# Altium PCB PCB1_wGraphics.PcbDoc (part 1 of 2)
Units mil, origin at the board's own origin, x right, y up, seen from the top; angles counter-clockwise.
Board outline 5095 x 2755 mil, 4 copper layers (Top Layer, Power3V3, GroundGND, Bottom Layer), stack 23.756 mil thick; 96 components, 127 nets, 451 pads, 232 vias.
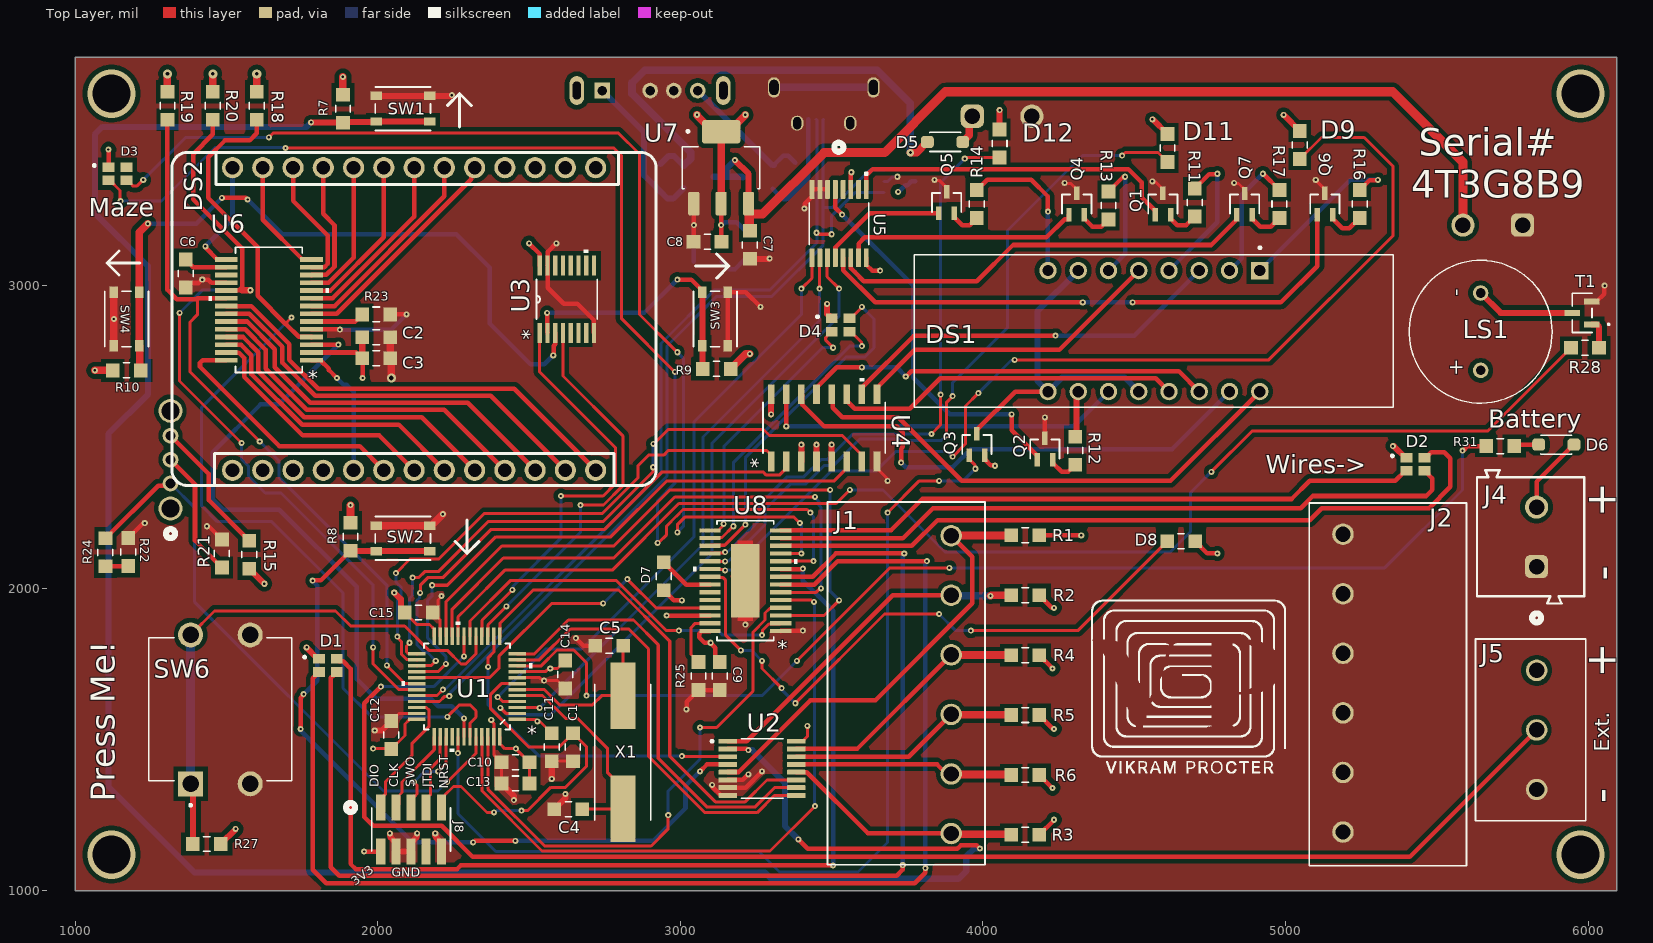
[diagram p0: Top Layer view]
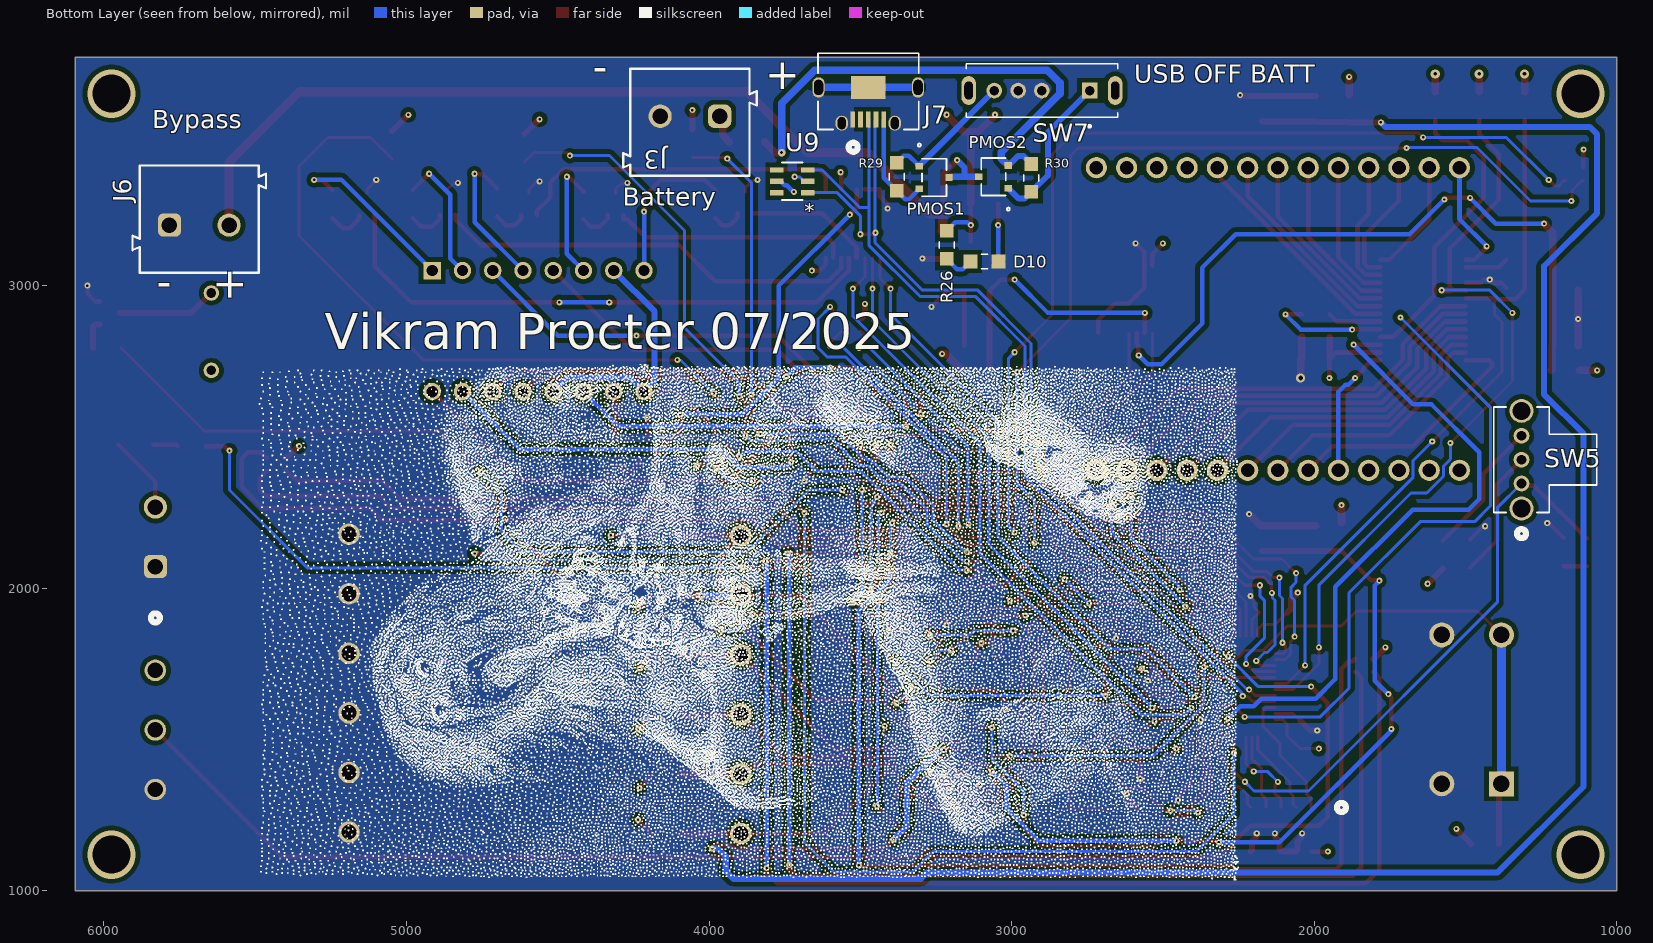
[diagram p1: Bottom Layer view, seen from below]
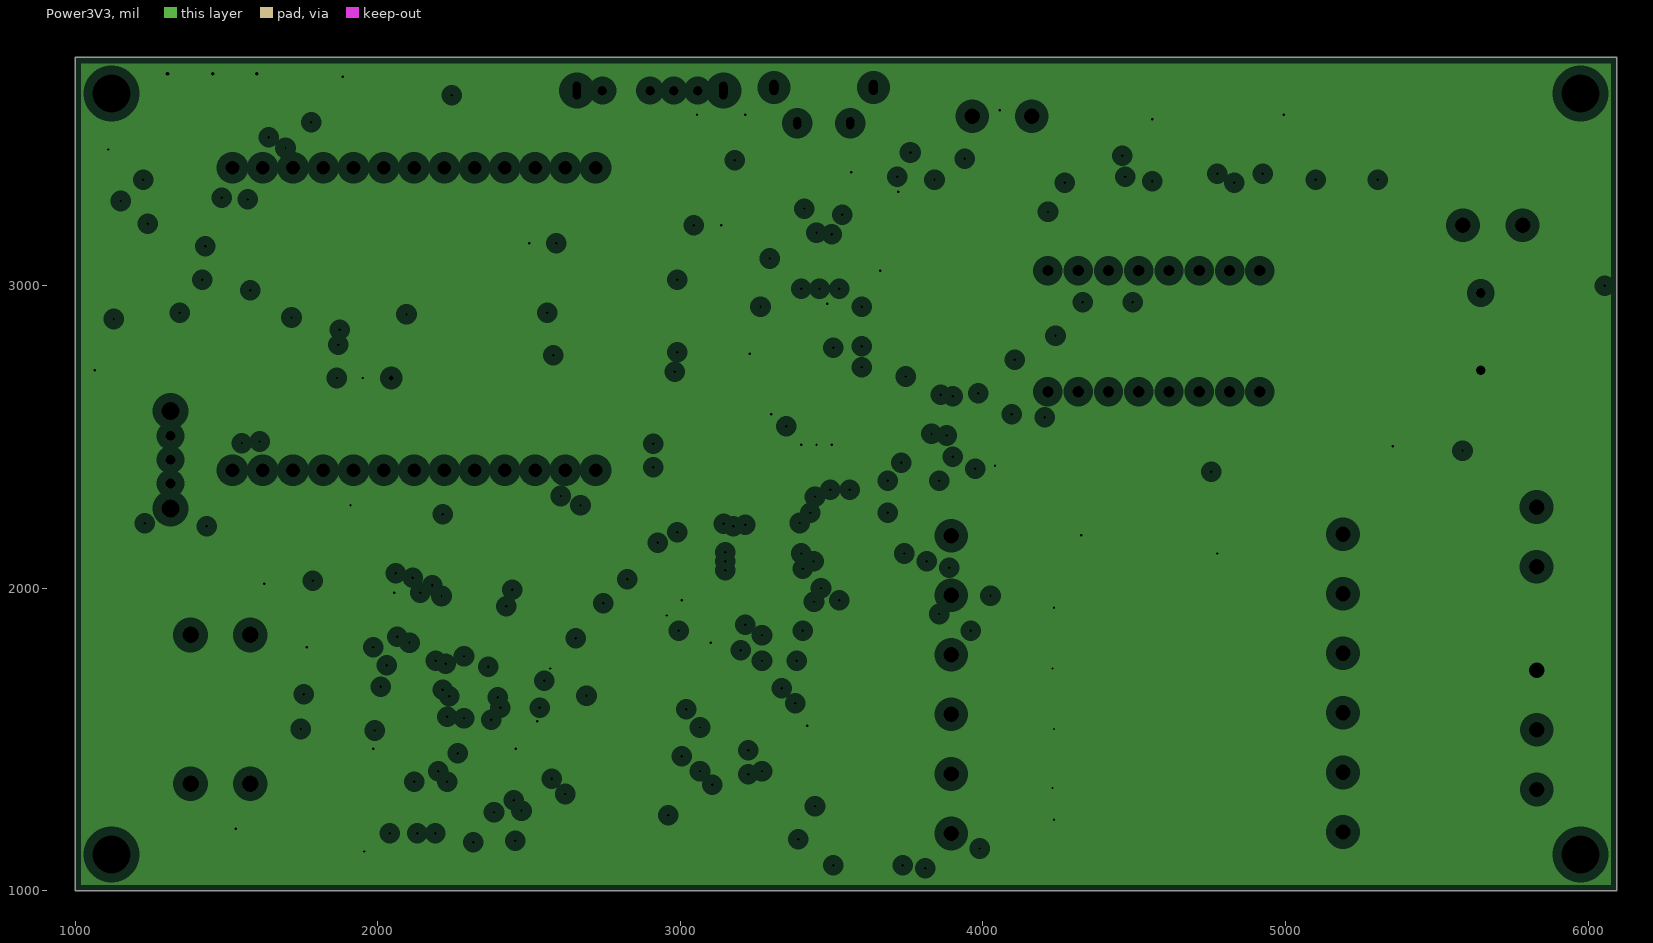
[diagram p2: Power3V3, clearances drawn from the general rule]
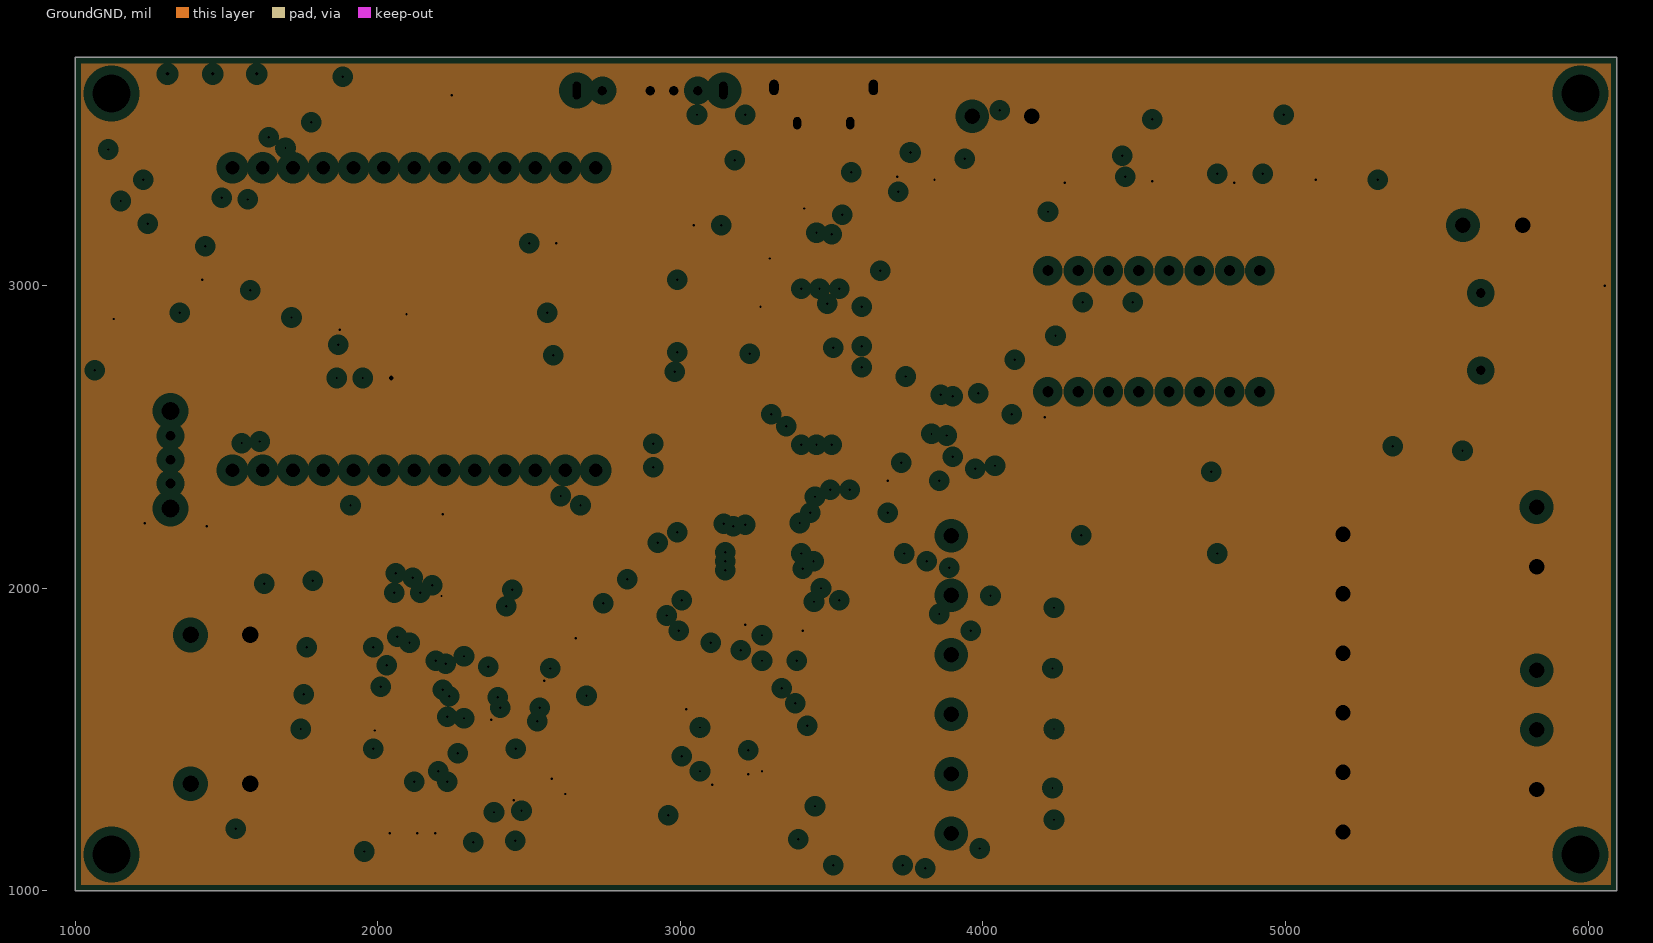
[diagram p3: GroundGND, clearances drawn from the general rule]

## Layer stack, top to bottom
Top Solder: solder mask 0.4, Solder Resist, Dk 3.5
Top Layer: signal copper 1.4
Dielectric 2: prepreg 2.8, PP-006, Dk 4.1
Power3V3: plane copper 1.378, net +3V3
Dielectric 1: dielectric 12.6, FR-4, Dk 4.8
GroundGND: plane copper 1.378, net GND
Dielectric 5: prepreg 2.8, PP-006, Dk 4.1
Bottom Layer: signal copper 1.4
Bottom Solder: solder mask 0.4, Solder Resist, Dk 3.5

## Board outline
1000,1000 6095,1000 6095,3755 1000,3755

## Design rules (kind name [scope] priority, off if disabled: settings)
Clearance [All] p1: gap=15 ignorepadtopadclearanceinfootprint=TRUE except(7: Arc-Arc Arc-Track Arc-SMDPad Arc-THPad Arc-Via Track-Track Track-SMDPad Track-THPad Track-Via SMDPad-THPad; 10: Arc-Text Arc-Hole Track-Text Track-Hole SMDPad-SMDPad SMDPad-Via SMDPad-Text SMDPad-Hole THPad-THPad THPad-Via THPad-Text THPad-Hole Via-Via Via-Text Via-Hole Fill-Text Fill-Hole Poly-Text Poly-Hole Region-Text Region-Hole Text-Text Text-Hole)
ComponentClearance "LED Matrix" [InComponent('DS2') vs InComponent('U6')] p1: gap=0 collisioncheckmode=3 verticalgap=0 showdistances=FALSE donotcheckwithout3dbody=TRUE // Allows for stuff to be placed under the LED Matrix
ComponentClearance [All] p2: gap=10 collisioncheckmode=3 verticalgap=10 showdistances=FALSE
DiffPairsRouting [All] p1: maxlimit=10 minlimit=5 mostfreqgap=10 toplayer_minwidth=10 toplayer_maxwidth=15 toplayer_prefwidth=15 bottomlayer_minwidth=10 bottomlayer_maxwidth=15 bottomlayer_prefwidth=15 maxuncoupledlength=500
MinimumSolderMaskSliver MinimumSolderMaskSliver_MCU [InComponent('U1') vs InComponent('U1')] p1: minsoldermaskwidth=0
MinimumSolderMaskSliver MinimumSolderMaskSliver_USB [HasFootprint('USB MICRO AB 0475900001') vs HasFootprint('USB MICRO AB 0475900001')] p2: minsoldermaskwidth=0
MinimumSolderMaskSliver [All] p3: minsoldermaskwidth=10
PlaneClearance [All] p1: clearance=30
PlaneConnect [All] p1: planeconnectstyle=Direct reliefexpansion=20 reliefentries=4 reliefconductorwidth=10 reliefairgap=10
PolygonConnect [All] p1: connectstyle=Direct reliefconductorwidth=10 reliefentries=4 polygonreliefangle="90 Angle" airgapwidth=10
RoutingVias [All] p1: holewidth=8 width=20 viastyle="Through Hole" minholewidth=8 minwidth=20 maxholewidth=28 maxwidth=50
SilkToSilkClearance [All] p1: silktosilkclearance=0
SilkToSolderMaskClearance [IsPad] p1: minsilkscreentomaskgap=0 clearancetoexposedcopper=TRUE
SolderMaskExpansion [All] p1: expansion=4 istentingtop=FALSE
SupplyNets "Schematic Supply Nets_4" [InNet('+3V3')] p1: voltage=0.000
SupplyNets "Schematic Supply Nets_3" [InNet('GND')] p2: voltage=0.000
SupplyNets "Schematic Supply Nets_2" [InNet('VBatt')] p3: voltage=0.000
SupplyNets "Schematic Supply Nets_1" [InNet('Vusb')] p4: voltage=0.000
SupplyNets "Schematic Supply Nets" [InNet('Vin')] p5: voltage=0.000
Width [All] p1: maxlimit=50 minlimit=10 preferedwidth=10
23 further rules are at their usual default settings.

## Classes and differential pairs
differential pair USB: +MCU_USB_D+ -MCU_USB_D-

## Components (designator, comment, footprint, x,y, rotation, side; value= is the part's Value field where it differs from the comment)
C1 "0.1uF" 0805 2645,1475 r90 top value=100nF
C2 "1uF" 0805 1995,2830 r180 top
C3 "0.1uF" 0805 1995,2760 r180 top value=100nF
C4 "24pF" 0805 2630,1270 r0 top
C5 "24pF" 0805 2765,1810 r180 top
C6 "0.1uF" 0805 1365,3040 r270 top value=100nF
C7 "1uF" 0805 3230,3135 r90 top
C8 "4.7uF" 0805 3090,3145 r0 top
C9 "0.1uF" 0805 3130,1710 r90 top value=100nF
C10 "0.1uF" 0805 2455,1425 r0 top value=100nF
C11 "0.1uF" 0805 2575,1475 r90 top value=100nF
C12 "0.1uF" 0805 2045,1515 r270 top value=100nF
C13 "4.7uF" 0805 2455,1355 r0 top
C14 "1uF" 0805 2620,1715 r270 top
C15 "0.1uF" 0805 2135,1920 r180 top value=100nF
D1 "RGB LED" "RBG LED 4-SMD" 1835,1745 r0 top
D2 "RGB LED" "RBG LED 4-SMD" 5430,2410 r0 top
D3 "RGB LED" "RBG LED 4-SMD" 1140,3370 r0 top
D4 "RGB LED" "RBG LED 4-SMD" 3530,2870 r0 top
D5 "1A" "SOD-123F DIODE SCHOTTKY" 3875,3475 r0 top
D6 "1A" "SOD-123F DIODE SCHOTTKY" 5895,2475 r180 top
D7 "Red 2V" 0805 2945,2040 r90 top
D8 "Red 2V" 0805 4655,2155 r180 top
D9 "Red 2V" 0805 5047.5,3465 r270 top
D10 "Red 2V" 0805 3090,3080 r180 bottom
D11 "Red 2V" 0805 4610,3455 r270 top
D12 "Red 2V" 0805 4055,3470 r270 top
DS1 "TDCR1060M" "16-DIP 4CHAR-7SEG" 4565,2850 r180 top
DS2 "LED Matrix" "LED MATRIX 9X16 CHARLIE" 2720,3390 r180 top locked
J1 "5mm" "CON 6POS SCREW 5.00MM" 3895,2173.7 r90 top
J2 "5mm" "CON 6POS SCREW 5.00MM" 5190,1194.45 r270 top
J3 "5mm" "CON 2POS SCREW 5.00MM" 4063.43,3540.31 r0 bottom
J4 "5mm" "CON 2POS SCREW 5.00MM" 5810,2170 r90 top
J5 "5mm" "CONN 3POS 5.00MM" 5830,1728.7 r270 top
J6 "5mm" "CON 2POS SCREW 5.00MM" 5685,3220 r180 bottom
J7 "micro ab" "USB MICRO AB 0475900001" 3473.82,3457.54 r0 bottom
J8 "1.27mm" "CON 10PIN 2ROW 1.27MM" 2010,1275.67 r0 top
LS1 "CEM-1203(42)" "BUZZER CEM-1203(42)" 5645,2847.95 r90 top
PMOS1 "6A" "SOT-23F MOS PMOS 30V 6A" 3256,3357.6 r270 bottom
PMOS2 "6A" "SOT-23F MOS PMOS 30V 6A" 3060,3360 r90 bottom
Q1 "NMOS" "SOT-323 MOS" 4595,3270 r0 top
Q2 "NMOS" "SOT-323 MOS" 4205,2460 r0 top
Q3 "NMOS" "SOT-323 MOS" 3980,2475 r0 top
Q4 "NMOS" "SOT-323 MOS" 4310,3270 r0 top
Q5 "NMOS" "SOT-323 MOS" 3880,3275 r0 top
Q6 "NMOS" "SOT-323 MOS" 5130,3270 r0 top
Q7 "NMOS" "SOT-323 MOS" 4865,3269.5 r0 top
R1 "20k" 0805 4140,2175 r0 top value=20kR
R2 "20k" 0805 4140,1977 r0 top value=20kR
R3 "20k" 0805 4140,1185 r0 top value=20kR
R4 "20k" 0805 4140,1779 r0 top value=20kR
R5 "20k" 0805 4140,1581 r0 top value=20kR
R6 "20k" 0805 4140,1383 r0 top value=20kR
R7 "10k" 0805 1885,3585 r90 top value=10kR
R8 "10k" 0805 1910,2170 r90 top value=10kR
R9 "10k" 0805 3120,2725 r0 top value=10kR
R10 "10k" 0805 1170,2720 r180 top value=10kR
R11 "162" 0805 4700,3275 r90 top value=162R
R12 "162" 0805 4305,2455 r90 top value=162R
R13 "162" 0805 4415,3265 r90 top value=162R
R14 "162" 0805 3980,3270 r90 top value=162R
R15 "10k" 0805 1575,2111.26 r270 top value=10kR
R16 "162" 0805 5245,3270 r90 top value=162R
R17 "162" 0805 4980,3270 r90 top value=162R
R18 "4.7k" 0805 1600,3595 r90 top value=4.7kR
R19 "4.7k" 0805 1305,3595 r90 top value=4.7kR
R20 "4.7k" 0805 1455,3595 r90 top value=4.7kR
R21 "10k" 0805 1485,2115 r90 top value=10kR
R22 "20k" 0805 1175,2120 r270 top value=20kR
R23 "20k" 0805 1995,2905 r180 top value=20kR
R24 "20k" 0805 1100,2118.74 r90 top value=20kR
R25 "4.7k" 0805 3060,1710 r270 top value=4.7kR
R26 "536" 0805 3215,3135 r270 bottom value=536R
R27 "10k" 0805 1435,1155 r0 top value=10kR
R28 "536" 0805 5990,2795 r0 top value=536R
R29 "10k" 0805 3380,3360 r90 bottom value=10kR
R30 "10k" 0805 2935,3356.26 r270 bottom value=10kR
R31 "10k" 0805 5710,2470 r180 top value=10kR
SW1 "Oval" "OVAL BUTTON" 2083.29,3585 r180 top
SW2 "Oval" "OVAL BUTTON" 2083.29,2165 r180 top
SW3 "Oval" "OVAL BUTTON" 3115,2890 r90 top
SW4 "Oval" "OVAL BUTTON" 1170,2890 r270 top
SW5 "OS102011MA1QN1" OS102011MA1QN1 1315,2346.26 r90 bottom
SW6 "Off-Mom" "SWITCH OFF-MOM" 1480,1600 r90 top
SW7 "300mA" "SWITCH ON-ON-ON 300MA SLW-1277545-2A-RA-S-D" 2900,3645 r0 bottom
T1 "npn MMBT3904-TP" "SOT-23 TRANSISTOR" 5980,2910 r90 top
U1 "STM32L412CBT6" 48-LQFP 2295,1675 r180 top
U2 "SN74LV4051APWR" "16-TSSOP MUX 8TO1" 3270,1405 r0 top
U3 "SN74CBTLV3257PWR" "16-TSSOP 1:2 SWITCH SN74CBTLV3257PWR" 2625,2955 r90 top
U4 "SN74LS47DR" "16-SOIC 7-SEG DRIVER" 3475,2530 r90 top
U5 "SN74LV4051APWR" "16-TSSOP MUX 8TO1" 3525,3205 r270 top
U6 "IS31FL3731-SALS2-TR" "28-SSOP LED MATRIX DRIVER" 1640,2920 r180 top
U7 "LDL1117S33R" "SOT-223 LIN REG 3V3" 3135,3390 r90 top
U8 "TLC59401PWPR" "28-HTSSOP 16LED DRIVER" 3215,2025 r180 top
U9 "IP4220CZ6,125" "SOT-457 USB ESD" 3725,3345 r0 bottom
X1 "16MHz" "OSC 16MHZ" 2810,1457.99 r90 top

## Footprints (in the part's own frame and the unit in brackets; to place one, negate y for a bottom-side part, rotate by r counter-clockwise, add the part's x,y. Pads: shape width x height; smd on the part's side, far side on the other; paste and mask are expansions set on the pad)
"16-DIP 4CHAR-7SEG" [mm]
  rect 1.458x1.458 / inner round 1.458 / far side rect 1.458x1.458 hole 0.95: 1(-8.89,-5.08)
  round 1.458 hole 0.95: 2(-6.35,-5.08) 3(-3.81,-5.08) 4(-1.27,-5.08) 5(1.27,-5.08) 6(3.81,-5.08) 7(6.35,-5.08) 8(8.89,-5.08) 9(8.89,5.08) 10(6.35,5.08) 11(3.81,5.08) 12(1.27,5.08) 13(-1.27,5.08) 14(-3.81,5.08) 15(-6.35,5.08) 16(-8.89,5.08)
  silkscreen extent -20.1,-7.1 20.1,6.4, body extent -20.1,-6.4 20.1,6.4, height 7
"16-SOIC 7-SEG DRIVER" [mil]
  rect 65.5x22 smd paste+0 mask+5: 1(-111.25,175) 2(-111.25,125) 3(-111.25,75) 4(-111.25,25) 5(-111.25,-25) 6(-111.25,-75) 7(-111.25,-125) 8(-111.25,-175) 9(111.25,-175) 10(111.25,-125) 11(111.25,-75) 12(111.25,-25) 13(111.25,25) 14(111.25,75) 15(111.25,125) 16(111.25,175)
  silkscreen extent -84,-202 164,202, body extent -122,-197 122,197, height 69
"16-TSSOP 1:2 SWITCH SN74CBTLV3257PWR" [mil]
  rect 66x14 smd paste-33 mask+0: 1(-111,89.57) 2(-111,63.98) 3(-111,38.39) 4(-111,12.8) 5(-111,-12.8) 6(-111,-38.39) 7(-111,-63.98) 8(-111,-89.57) 9(111,-89.57) 10(111,-63.98) 11(111,-38.39) 12(111,-12.8) 13(111,12.8) 14(111,38.39) 15(111,63.98) 16(111,89.57)
  silkscreen extent -66,-100 164,100, body extent -130,-101 130,101, height 47
"16-TSSOP MUX 8TO1" [mm]
  rrect25% 1.57x0.41 smd mask+0: 1(-2.87,2.275) 2(-2.87,1.625) 3(-2.87,0.975) 4(-2.87,0.325) 5(-2.87,-0.325) 6(-2.87,-0.975) 7(-2.87,-1.625) 8(-2.87,-2.275) 9(2.87,-2.275) 10(2.87,-1.625) 11(2.87,-0.975) 12(2.87,-0.325) 13(2.87,0.325) 14(2.87,0.975) 15(2.87,1.625) 16(2.87,2.275)
  silkscreen extent -4.29,-2.5 1.77,2.5
"28-HTSSOP 16LED DRIVER" [mil]
  rect 70x14 smd paste+0 mask+0: 1(-117,166.34) 2(-117,140.75) 3(-117,115.16) 4(-117,89.57) 5(-117,63.98) 6(-117,38.39) 7(-117,12.8) 8(-117,-12.8) 9(-117,-38.39) 10(-117,-63.98) 11(-117,-89.57) 12(-117,-115.16) 13(-117,-140.75) 14(-117,-166.34) 15(117,-166.34) 16(117,-140.75) 17(117,-115.16) 18(117,-89.57) 19(117,-63.98) 20(117,-38.39) 21(117,-12.8) 22(117,12.8) 23(117,38.39) 24(117,63.98) 25(117,89.57) 26(117,115.16) 27(117,140.75) 28(117,166.34)
  rect 94.49x242.91 smd paste+0 mask+0: 29(0,0)
  Top Layer region: 24.61,-121.46 -24.61,-121.46 -24.61,-121.46 -24.61,-121.46 -24.61,-131.69 24.61,-131.69 24.61,-121.46 24.61,-121.46
  Top Layer region: 24.61,121.46 -24.61,121.46 -24.61,121.46 -24.61,121.46 -24.61,131.69 24.61,131.69 24.61,121.46 24.61,121.46
  silkscreen extent -172,-198 172,198, body extent -130,-193 130,193, height 67
"28-SSOP LED MATRIX DRIVER" [mil]
  rect 75x16 smd paste+0 mask+0: 1(-141,166.34) 2(-141,140.75) 3(-141,115.16) 4(-141,89.57) 5(-141,63.98) 6(-141,38.39) 7(-141,12.8) 8(-141,-12.8) 9(-141,-38.39) 10(-141,-63.98) 11(-141,-89.57) 12(-141,-115.16) 13(-141,-140.75) 14(-141,-166.34) 15(141,-166.34) 16(141,-140.75) 17(141,-115.16) 18(141,-89.57) 19(141,-63.98) 20(141,-38.39) 21(141,-12.8) 22(141,12.8) 23(141,38.39) 24(141,63.98) 25(141,89.57) 26(141,115.16) 27(141,140.75) 28(141,166.34)
  silkscreen extent -198,-207 198,207, body extent -156,-202 156,202, height 79
48-LQFP [mil]
  rect 58x11 smd paste+0 mask+0: 1(-166,108.27) 2(-166,88.58) 3(-166,68.9) 4(-166,49.21) 5(-166,29.53) 6(-166,9.84) 7(-166,-9.84) 8(-166,-29.53) 9(-166,-49.21) 10(-166,-68.9) 11(-166,-88.58) 12(-166,-108.27) 25(166,-108.27) 26(166,-88.58) 27(166,-68.9) 28(166,-49.21) 29(166,-29.53) 30(166,-9.84) 31(166,9.84) 32(166,29.53) 33(166,49.21) 34(166,68.9) 35(166,88.58) 36(166,108.27)
  rect 11x58 smd paste+0 mask+0: 13(-108.27,-166) 14(-88.58,-166) 15(-68.9,-166) 16(-49.21,-166) 17(-29.53,-166) 18(-9.84,-166) 19(9.84,-166) 20(29.53,-166) 21(49.21,-166) 22(68.9,-166) 23(88.58,-166) 24(108.27,-166) 37(108.27,166) 38(88.58,166) 39(68.9,166) 40(49.21,166) 41(29.53,166) 42(9.84,166) 43(-9.84,166) 44(-29.53,166) 45(-49.21,166) 46(-68.9,166) 47(-88.58,166) 48(-108.27,166)
  silkscreen extent -215,-215 215,215, body extent -181,-181 181,181, height 63
0805 [mm]
  rect 1.15x1.15 smd: 1(-1.175,0) 2(1.175,0)
  silkscreen extent -0.28,-0.63 0.28,0.63, body extent -1,-0.63 1,0.63, height 0.7
"BUZZER CEM-1203(42)" [mm]
  round 1.308 hole 0.8: N(3.25,0) P(-3.25,0)
  silkscreen extent -6,-6 6,6, body extent -6,-6 6,6, height 8.5
"CON 2POS SCREW 5.00MM" [mm]
  rrect50% 1.95x1.95 hole 1.3: 1(-2.5,-0.5)
  round 1.95 hole 1.3: 2(2.5,-0.5)
  silkscreen extent -5.6,-4.5 5.6,4.5, body extent -5.6,-4.5 5.6,4.5, height 12.65
"CON 6POS SCREW 5.00MM" [mil] "45deg"
  round 71 / inner round 60 / far side round 71 hole 51 paste-99999 mask+0: 1(-984.25,0) 2(-787.4,0) 3(-590.55,0) 4(-393.7,0) 5(-196.85,0) 6(0,0)
  silkscreen extent -1088,-111 111,409, body extent -1079,-107 125,397, height 469
"CON 10PIN 2ROW 1.27MM" [mil]
  rect 30x87 smd paste+0 mask+0: 1(0,0) 2(50,0) 3(100,0) 4(150,0) 5(200,0) 6(0,-145.67) 7(50,-145.67) 8(100,-145.67) 9(150,-145.67) 10(200,-145.67)
  silkscreen extent -115,-145 230,15
"CONN 3POS 5.00MM" [mil]
  round 71 / inner round 60 / far side round 71 hole 51 paste-99999 mask+0: 1(0,0) 2(196.85,0) 3(393.7,0)
  silkscreen extent -188,-202 497,162
"LED MATRIX 9X16 CHARLIE" [mil]
  round 70 hole 45: 1(0,1000) 2(100,1000) 3(200,1000) 4(300,1000) 5(400,1000) 6(500,1000) 7(600,1000) 8(700,1000) 9(800,1000) 10(900,1000) 11(1000,1000) 12(1100,1000) 13(1200,1000) 14(0,0) 15(100,0) 16(200,0) 17(300,0) 18(400,0) 19(500,0) 20(600,0) 21(700,0) 22(800,0) 23(900,0) 24(1000,0) 25(1100,0) 26(1200,0)
  silkscreen extent -200,-50 1400,1050
OS102011MA1QN1 [mil]
  round 52 / inner round 60 / far side round 52 hole 32 paste-99999 mask+0: 1(0,0) 2(78.74,0) 3(157.48,0)
  round 79 / inner round 60 / far side round 79 hole 59 paste-99999 mask+0: 4(-82.68,0) 5(240.16,0)
  silkscreen extent -181,-248 253,92
"OSC 16MHZ" [mm]
  rect 5.6x2.1 smd: 1(-4.75,0) 2(4.75,0)
  silkscreen extent -5.7,-2.35 5.7,2.35, body extent -6.35,-2.35 6.35,2.35, height 4.2
"OVAL BUTTON" [mil]
  rect 39x28 smd paste+0 mask+5: 1(-88.58,42.32) 2(88.58,42.32) 3(-88.58,-42.32) 4(88.58,-42.32)
  silkscreen extent -92,-72 92,72
"RBG LED 4-SMD" [mm]
  rect 1x0.8 smd mask+0: 1(-0.75,0.55) 2(0.75,0.55) 3(0.75,-0.55) 4(-0.75,-0.55)
  silkscreen extent -2.05,0.6 -1.85,0.8
"SOD-123F DIODE SCHOTTKY" [mm]
  rrect53% 1.07x1.03 smd: 1(-1.485,0) 2(1.485,0)
  silkscreen extent -1.3,-0.8 1.3,0.8, body extent -1.75,-0.8 1.75,0.8, height 0.9
"SOT-23 TRANSISTOR" [mil]
  rect 20x51 smd paste+0 mask+3: 1(-37.75,-32.5) 2(37.75,-32.5) 3(0,32.5)
  silkscreen extent -65,-91 65,33, body extent -60,-52 60,52, height 48
"SOT-23F MOS PMOS 30V 6A" [mil]
  rect 22x24 smd paste+0 mask+2: 1(-37.4,-49) 2(37.4,-49) 3(0,49)
  silkscreen extent -112,-54 62,41, body extent -57,-43 57,43, height 37
"SOT-223 LIN REG 3V3" [mm]
  rrect25% 1.98x0.93 smd: 1(-3.015,2.3) 2(-3.015,0) 3(-3.015,-2.3)
  rrect25% 1.98x3.23 smd: 4(3.015,0)
  silkscreen extent -1.75,-3.25 3.15,3.25
"SOT-323 MOS" [mil]
  rect 18x44 smd paste+0 mask+0: 1(-25.59,-35.5) 2(25.59,-35.5) 3(0,35.5)
  silkscreen extent -48,-32 48,32, body extent -44,-44 44,44, height 39
"SOT-457 USB ESD" [mil]
  rect 43.5x18 smd paste+0 mask+0: 1(-51.25,37.4) 2(-51.25,0) 3(-51.25,-37.4) 4(51.25,-37.4) 5(51.25,0) 6(51.25,37.4)
  silkscreen extent -34,-62 34,62, body extent -59,-57 59,57, height 43
"SWITCH OFF-MOM" [mm]
  rect 2.1x2.1 / inner round 2.1 / far side rect 2.1x2.1 hole 1.4: 1(-6.25,2.5)
  round 2.1 hole 1.4: 2(6.25,2.5) 3(-6.25,-2.5) 4(6.25,-2.5)
  silkscreen extent -8.15,-6 6,6, body extent -7.05,-6 7.05,6, height 7.36
"SWITCH ON-ON-ON 300MA SLW-1277545-2A-RA-S-D" [mm]
  rect 1.308x1.308 / inner round 1.308 / far side rect 1.308x1.308 hole 0.8: 1(-4,0)
  round 1.308 hole 0.8: 2(0,0) 3(2,0) 4(4,0)
  oval 1.208x2.416 hole 0.7 slot 1.5 at 90 deg: SH1(-6.15,0) SH2(6.15,0)
  silkscreen extent -6.35,-2.25 6.35,3.1
"USB MICRO AB 0475900001" [mil]
  rect 16x53 smd paste+0 mask+0: 1(51.18,-92.46) 2(25.59,-92.46) 3(0,-92.46) 4(-25.59,-92.46) 5(-51.18,-92.46)
  oval 42x49 / inner round 60 / far side oval 42x49 hole 26 slot 40 at 90 deg paste-99999 mask+0: 6(-87.6,-79.66) 7(87.6,-79.66)
  oval 40x67 / inner round 60 / far side oval 40x67 hole 30 slot 50 at 90 deg paste-99999 mask+0: 8(-164.37,-197.77) 9(164.37,-197.77)
  rect 114x75 smd paste-57 mask-57: 10(0,-197.77)
  silkscreen extent -166,-311 166,15
